# Altium PCB REB215_XPRO_Extension.PcbDoc (part 5 of 5)
Units mil, origin at the board's own origin, x right, y up, seen from the top; angles counter-clockwise.
Board outline 4055.74 x 2606 mil, 6 copper layers (Top Layer LF-signals, Signal Layer 1, Internal Plane 1, Mid-1, Mid-2, Bottom Layer LF-signals), stack 58.434 mil thick; 278 components, 292 nets, 1282 pads, 1177 vias.
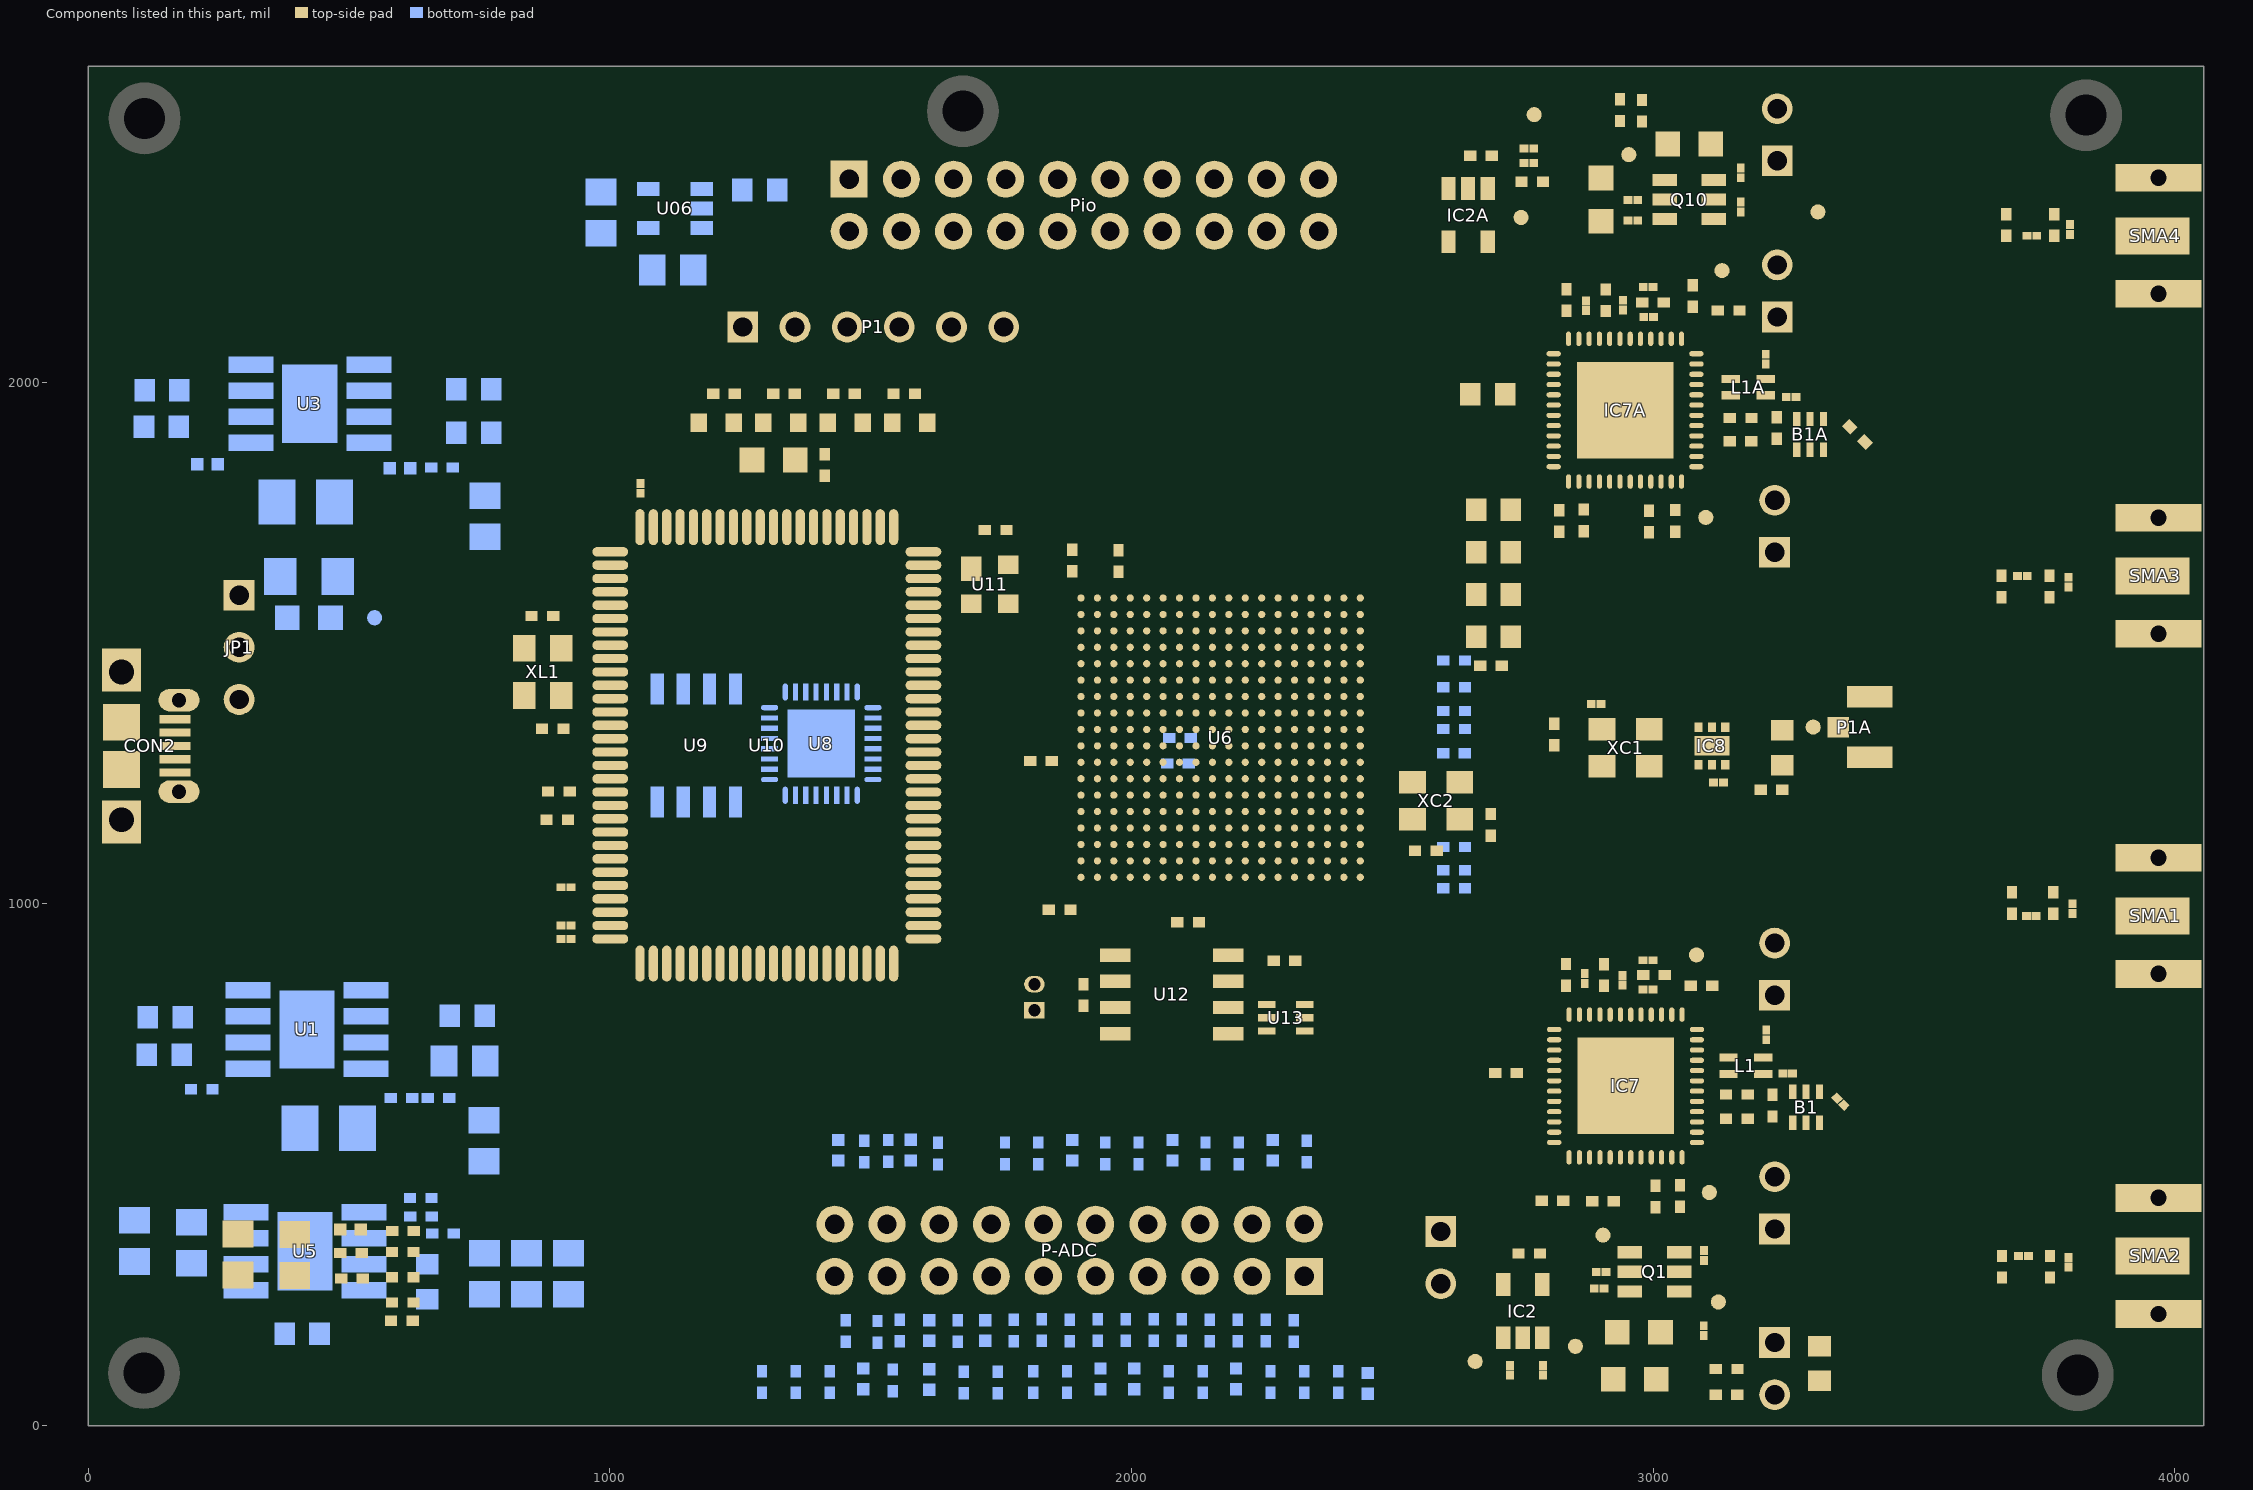
[diagram p9: the components of this part, seen from the top]

## Other copper (continued)
Bottom Layer LF-signals:
  rectangle net VCC: 664,767 714,873.8
  rectangle net NetL4_1: 381,533 438,774
  rectangle net NetC42_2: 259,294 345,374
  rectangle net NetC42_2: 62,299 262,340
  rectangle net NetC42_2: 61,286 230.25,339
  rectangle net VCC: 261,156 343,275
  rectangle net VCC: 261,156 396,197
  rectangle net NetC41_2: 487,153 571.6,275
  rectangle net NetC41_2: 424,153 571.6,197
  rectangle net VCC: 357,1524 415.67,1663.49
  rectangle net VCC: 220,1553 370,1631.91
  rectangle net NetL5_1: 373,1844.87 476,2034
  rectangle net NetL5_1: 326,1728 398,1846.45
  rectangle net NetL5_1: 374,1824 428,1849.35
  rectangle net NetL8_1: 958,2339.15 1097.63,2390
  rectangle net 1V8: 954,2267 1095,2312.05
  rectangle net NetC47_1: 1155,2357 1273,2384
  rectangle net NetC47_1: 1235,2283.65 1274,2389.4
  rectangle net NetC47_1: 1154,2275 1274,2309.03
  rectangle net 2V5: 437,1729.16 708,1814
  rectangle net 2V5: 685,1757 726,1925
  rectangle net 2V5: 643,1755.1 916,1808
  rectangle net NetR23_1: 646,357 674,446.32
  rectangle net 1V0: 688,303.65 1020,381
  rectangle net 1V0: 2586,1255 2610,1298
  rectangle net 1V0: 2586,1253 2689,1272
  rectangle net 1V0: 2586.52,1117 2610,1141.22
  region net 1V0: 2670,1272 2670,1131 2689,1131 2689,1272
  rectangle net 1V0: 2586,1125 2689,1144
  region net 1V0: 2610,1011 2610,1114 2588,1114 2588,1011
  rectangle net 1V8: 951.98,2182.58 1105.31,2244.86
  rectangle net 1V8: 952.94,2184.37 1016.07,2310.76
  rectangle net 1V8: 1047.4,2112.53 1109.41,2242.98
  rectangle net 1V8: 1980.58,1303.59 1999.78,1339.65
  rectangle net VCC: 212,1917.22 355.73,1949.8
  rectangle net VCC: 495,1966 725,2000
  rectangle net VCC: 227,719 349,749
  rectangle net VCC: 489,766 711,800
  rectangle net NetR015_1: 610,618 663,639
  rectangle net 1V8: 2019,1264 2060,1269
  region net 1V8: 2026.24,1270.63 1969.45,1327.42 1962.52,1320.48 2019.3,1263.7
  rectangle net 1V8: 1971.85,1312.49 1981.71,1325.01
  rectangle net 1V8: 2022.2,1266.6 2026.09,1271
  rectangle net 3V3: 680,585.37 708,730
  rectangle net 3V3: 647,669 704,730
  rectangle net 3V3: 704,558 885.97,617.35
  rectangle net 3V3: 480,527 708,597.84
  rectangle net 3V3: 794,558.87 1028,669
  rectangle net 3V3: 1916,1626 1966.97,1647.48
  rectangle net 3V3: 2078,852 2153,934
  rectangle net 3V3: 855,1637 1189,1676
  rectangle net 3V3: 987,625 1028,1670
  rectangle net 3V3: 991,1371 1063,1408.37
  rectangle net 3V3: 1715.91,1790.98 1780.24,1818
  rectangle net GND: 494,2018 581,2099
  rectangle net GND: 87,1889 129,2165
  rectangle net GND: 87,632 137,863.25
  rectangle net GND: 489,819 575.67,905
  rectangle net GND: 741,672 780,918
  rectangle net GND: 729,481 900,530.91
  rectangle net GND: 442,1525.43 625,1665
  rectangle net GND: 2627.59,1335.47 2651.62,1376.6
  rectangle net NetR45_2: 1347,93 1432.06,117
  rectangle net NetR43_2: 1979.26,149 2054,175
  rectangle net NetR44_2: 1872,149 1945,175
  rectangle net NetR44_2: 1867,93 1890,175
  rectangle net CK-AN4-P: 1867,50 1968,74
  rectangle net CK-AN4-P: 1949.78,63 1968.09,79
  rectangle net GND: 361.88,220.32 472.12,451.03
  rectangle net VCC_3V3: 3125,1198.53 3198.6,1289.38
  rectangle net VCC_3V3: 2915.91,1692.91 2973.3,1722
  rectangle net VCC_3V3: 2885.7,1702 2936,1735.33
  rectangle net VCC_TARGET: 2713,2384 2759,2443
  rectangle net VCC_TARGET: 2751,2413 2916,2474
  rectangle net VCC_TARGET: 2748.8,2383 2786.66,2435
  rectangle net VCC_3V3: 3173.07,2424.5 3194,2476
  pour cut-out: 1875,1613.6 1875.45,1614.05 2466.19,1614.05 2466.19,1023.5 1875.64,1023.5 1875.64,1614.05
  pour cut-out: 2538.72,1233.43 2629.28,1233.43 2629.28,1162.57 2538.72,1162.57
  pour cut-out: 1692.3,1568.05 1692.3,1658.61 1763.17,1658.61 1763.17,1568.05
  pour cut-out: 836.01,1489.99 838.47,1487.53 909.34,1487.53 909.34,1387 907.79,1385.46 829.33,1385.46 829.33,1483.31
Internal Plane 1 (plane layer: these items are gaps in the copper):
  pour cut-out: 1875,1613.6 1875.45,1614.05 2466.19,1614.05 2466.19,1023.5 1875.64,1023.5 1875.64,1614.05
  pour cut-out: 2538.72,1233.43 2629.28,1233.43 2629.28,1162.57 2538.72,1162.57
  pour cut-out: 1690.11,1644.99 1690.11,1575.6 1763.43,1575.6 1763.43,1650.4 1693.31,1650.4
  pour cut-out: 836.01,1489.99 838.47,1487.53 909.34,1487.53 909.34,1387 907.79,1385.46 829.33,1385.46 829.33,1483.31

## Silkscreen, mask and mechanical layers (free items; w line width, h text height)
Bottom Overlay:
  circle w10: c1530.35,1419.81 r7.38
Mechanical 1:
  lines w10: 0,0 0,2606 4055.74,2606 4055.74,0.74 4055,0 3957,0 0,0
Mechanical 3:
  lines w10: 4681.58,2179.04 5776.07,2179.04
  text "FABRICATION NOTES" at 4703.23,2213.49 h100
  text "PCB SHEET: FR4 (Er=4.6)" at 4690.22,2075.89 h100
  text "PCB FINISHED THICKNESS: 1.5MM" at 4677.22,1967.09 h100
  text "FINISH: ENIG/PTH" at 4671.22,1858.92 h100
  text "SIGNAL LAYERS: 6(5-Routing,1 GND Plane)" at 4665.1,1754.36 h100
  text "SOLDER MASK: (LPI-BLUE)- TOP and BOTTOM" at 4664,1627.36 h100
  text "SILKSCREEN : WHITE (TOP and BOTTOM)" at 4642,1499.36 h100
  text "E.T : FLYING PROBE" at 4631,1228.36 h100

## Dimensions
0,2606 to 4055.74,2606 on Mechanical 1
4005.75,2604 to 3957,0 on Mechanical 1

## Text inside footprints (layer, text, board x,y; h text height)
C29: Mechanical 32 "1" at 754.91,579.47 h19.68 r270; Mechanical 32 "2" at 754.91,500.73 h19.68 r270
C30: Mechanical 32 "1" at 688.17,694.91 h19.68; Mechanical 32 "2" at 766.91,694.91 h19.68
C35: Mechanical 32 "1" at 756.4,1776.47 h19.68 r270; Mechanical 32 "2" at 756.4,1697.73 h19.68 r270
C42: Mechanical 32 "1" at 193.91,383.96 h19.68 r270; Mechanical 32 "2" at 193.91,305.22 h19.68 r270
C43: Mechanical 32 "1" at 755.91,324.47 h19.68 r270; Mechanical 32 "2" at 755.91,245.73 h19.68 r270
C44: Mechanical 32 "1" at 916.95,324.47 h19.68 r270; Mechanical 32 "2" at 916.95,245.73 h19.68 r270
C45: Mechanical 32 "1" at 835.91,324.47 h19.68 r270; Mechanical 32 "2" at 835.91,245.73 h19.68 r270
C48: Mechanical 32 "1" at 1087.28,2210.96 h19.68; Mechanical 32 "2" at 1166.02,2210.96 h19.68
C49: Mechanical 32 "1" at 282.91,294.54 h19.68 r270; Mechanical 32 "2" at 282.91,373.28 h19.68 r270
C50: Mechanical 32 "1" at 391.91,293.54 h19.68 r270; Mechanical 32 "2" at 391.91,372.28 h19.68 r270
L7: Mechanical 32 "1" at 93.09,320.54 h19.68 r90; Mechanical 32 "2" at 93.09,399.28 h19.68 r90
L8: Mechanical 32 "1" at 978.86,2358.75 h19.68 r270; Mechanical 32 "2" at 978.86,2280.01 h19.68 r270